# Altium PCB Version_2.PcbDoc (part 3 of 6) (continued)
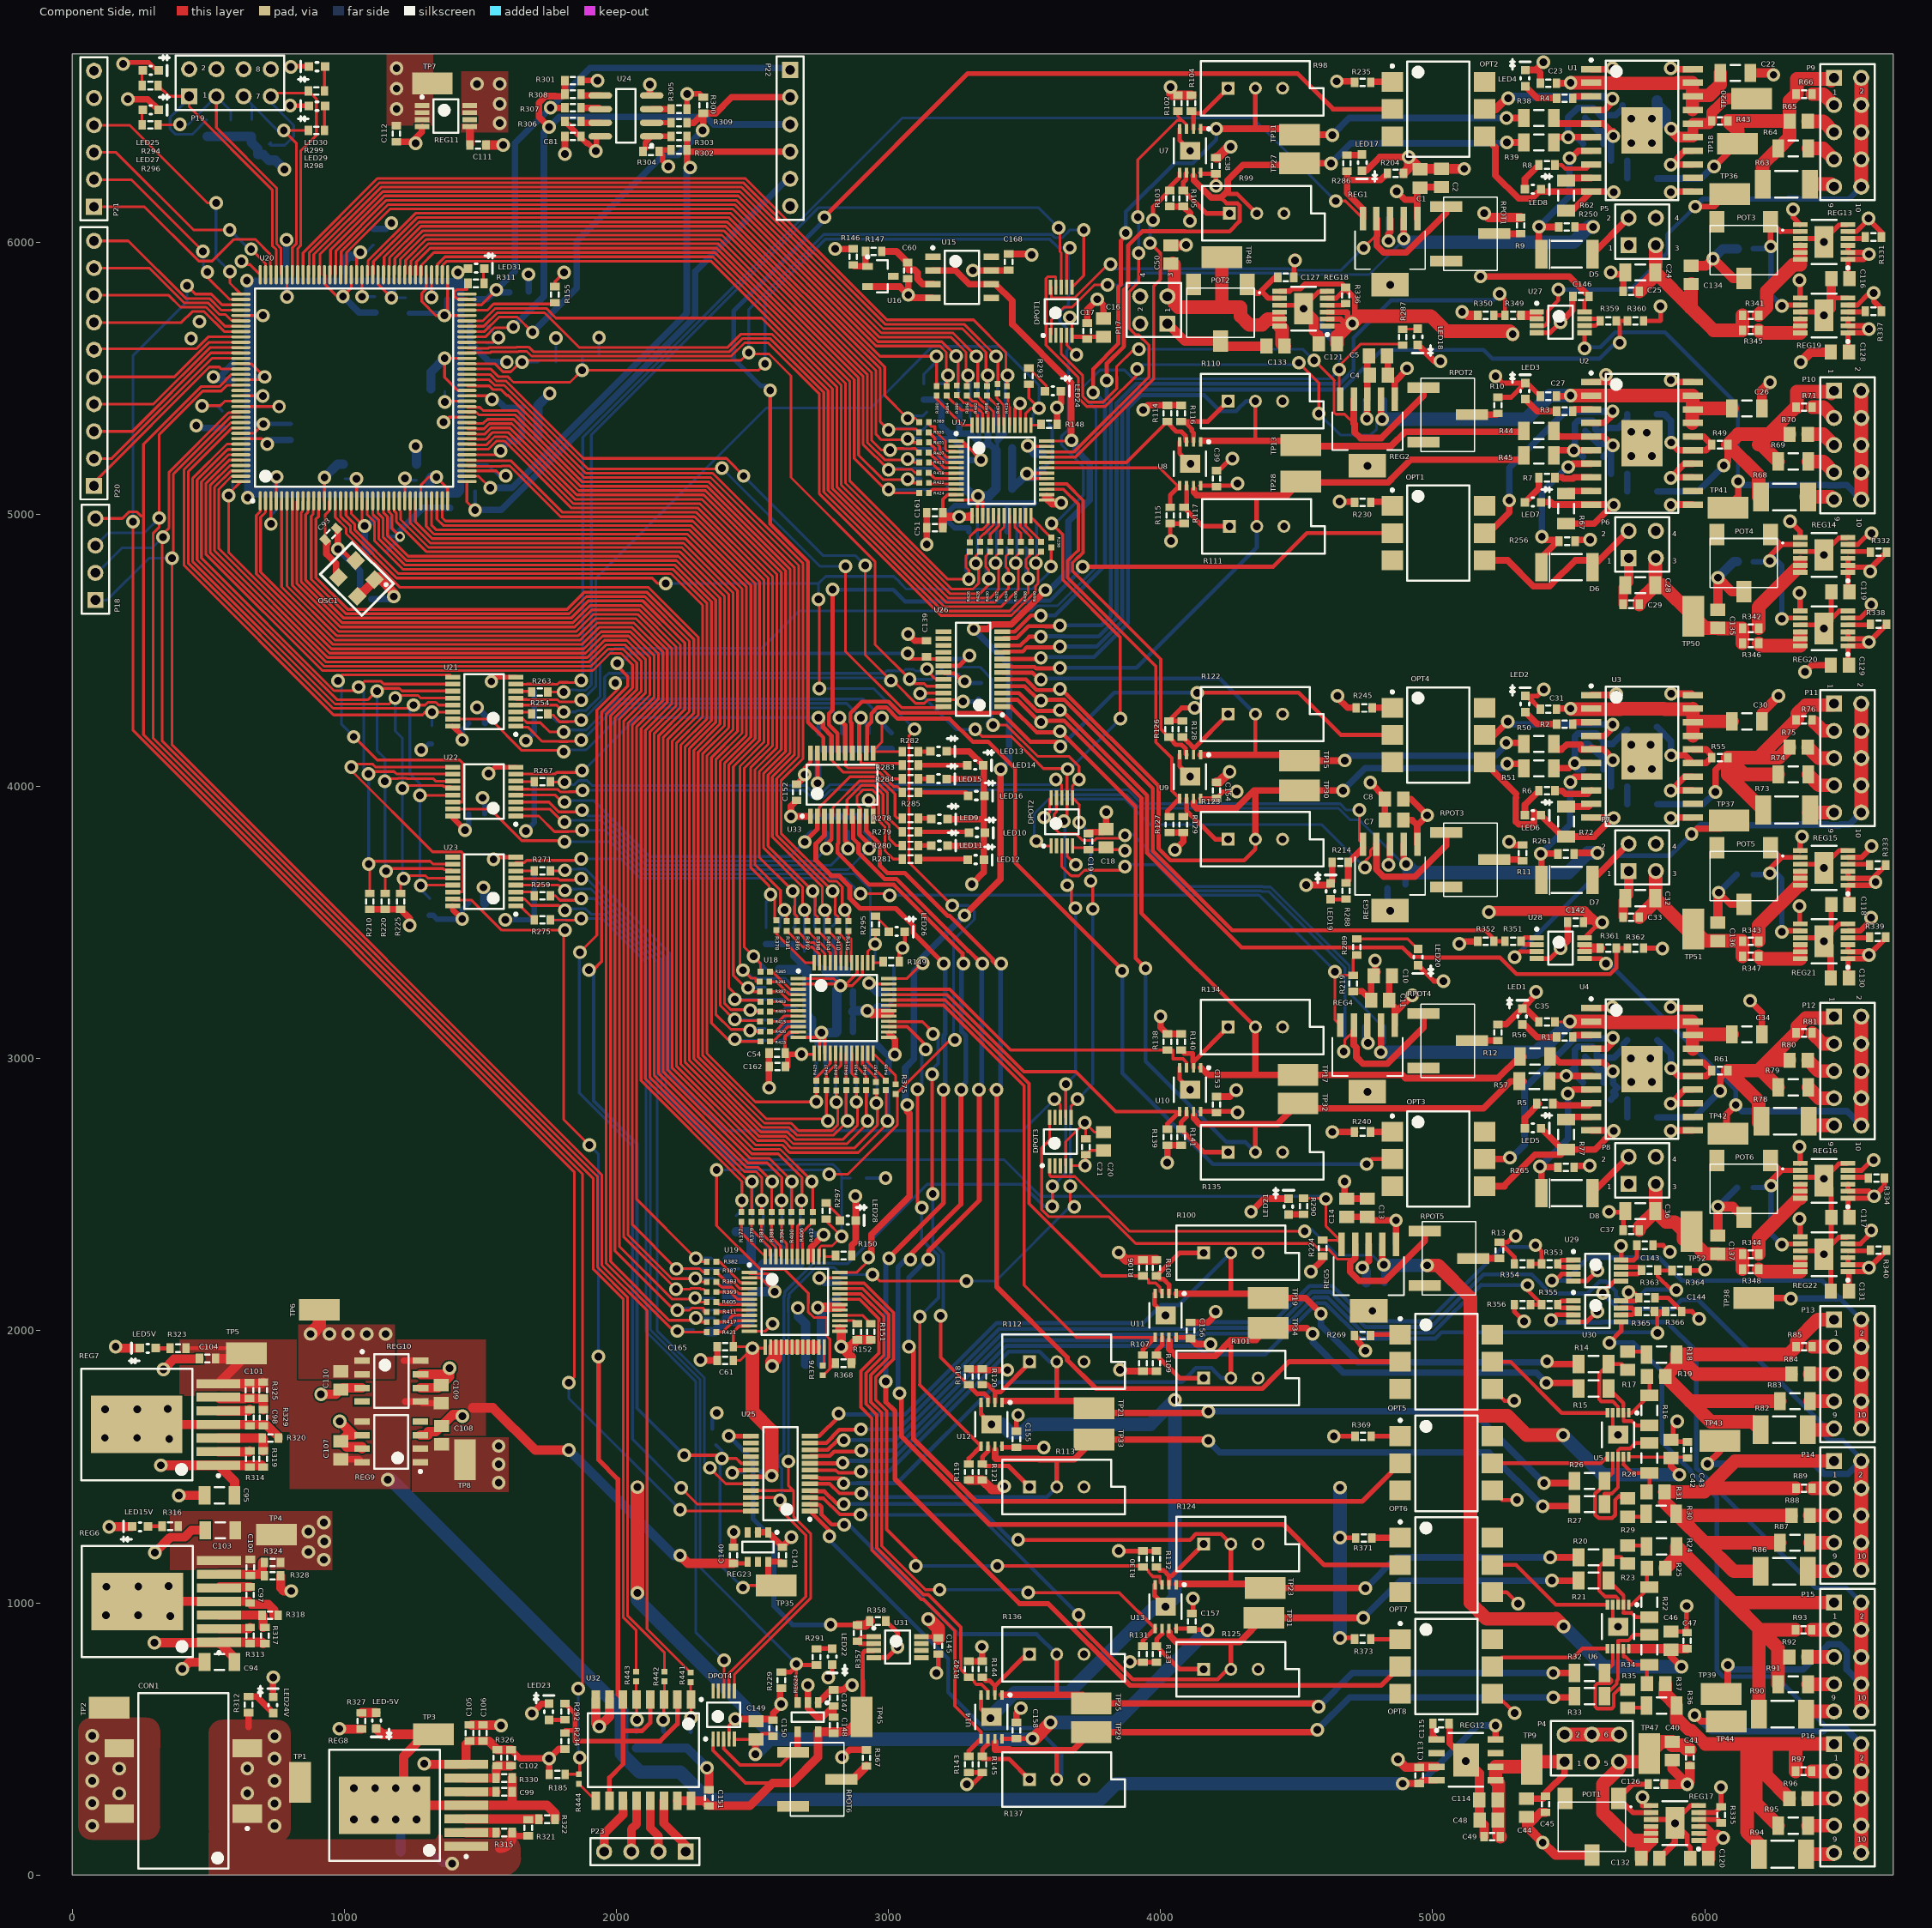
[diagram p0: Component Side view]
## Nets (pads, with @x,y where several pads share a name; then routed paths per layer and width w, separated by ;. In a path a pad name is that pad's centre, name@x,y a point inside that pad or via, vN(x,y) a via of type N, cw(c..) or ccw(c..) an arc to the next point about the centre after c; other vN are vias at no path point) (continued)
  Component Side w10: v1@613.91,5922.24 v1(622.08,5930.41) 634.18,5918.31 652.87,5918.31 U20.108@690.83,5880.35 ; U20.136@619.96,5277.99 696.42,5277.99 v1(716.54,5257.87) ; U20.130@619.96,5396.1 v1(760.28,5396.1) ; U20.113@619.96,5730.75 v1(701.22,5730.75) ; U20.3@730.2,5049.65 732.98,5046.87 730.32,5044.2 v1(730.32,4964.57) ; U20.13@927.05,5049.65 v1(927.05,5135.94) ; U20.96@927.05,5880.35 929.83,5877.57 929.83,5843.82 972.47,5801.18 v1(995.08,5801.18) 1025.47,5831.57 U20.91@1025.47,5880.35 ; U20.25@1163.27,5049.65 1163.27,5009.94 1174.86,4998.36 1174.86,4948.18 v3(1204.72,4918.31) ; U20.77@1301.06,5880.35 1301.06,5828.35 1284.87,5812.16 1284.87,5782.33 1336.45,5730.75 v1(1367.56,5730.75) U20.68@1450.67,5730.75 ; v1(1365.16,5338.58) 1383.31,5356.73 U20.49@1450.67,5356.73 ; v1@1379.8,5742.99 U20.73@1379.8,5880.35 ; U20.54@1450.67,5455.16 1416.92,5455.16 1368.66,5503.41 v1(1368.66,5573.27) U20.60@1450.67,5573.27 ; U19.12@2488.9,1997.69 2545.92,1997.69 v1(2573.82,2025.59) ; U19.2@2488.9,2194.54 2530.85,2194.54 v1(2581.69,2143.7) 2581.69,2187.99 2559.99,2209.69 2488.9,2209.69 U19.1@2488.9,2214.23 ; v1@2566.66,1875.27 v1(2571.85,1870.08) ; U18.2@2668.9,3274.54 v1@2817.29,3274.54 ; U18.1@2668.9,3294.23 2797.6,3294.23 v1@2817.29,3274.54 ; v1(2823.96,3267.88) v1@2817.29,3274.54 ; DPOT3.4@3651.69,2606.4 3651.69,2695 v1(3721.46,2764.76) v1@3725.24,2760.98 ; DPOT1.4@3654.92,5657.38 3654.92,5622.64 v1(3690.94,5586.61) ; DPOT2.4@3656.69,3781.4 3656.69,3743.9 v1(3687.99,3712.6) ; C21.1@3725.24,2705.49 v1@3725.24,2760.98 ; C20.1@3790.24,2729.43 3756.79,2729.43 v1@3725.24,2760.98
  Component Side w12: DPOT4.4@2414.22,499.69 2414.22,550.05 v1(2437.01,572.83) ; U18.12@2668.9,3077.69 2736.16,3077.69 ; U18.14@2746.66,3019.62 2746.66,3088.19 v1(2753.94,3095.47) ; U18.15@2766.34,3019.62 v1@2766.34,3083.07 ; v1(2823.96,3267.88) v1@2838.74,3267.88 ; U18.40@2884.45,3352.3 2884.45,3313.58 v1@2838.74,3267.88 ; U18.39@2904.14,3352.3 2904.14,3305.71 2866.3,3267.88 v1@2838.74,3267.88 ; U17.12@3248.9,5052.69 v1@3313.52,5052.69 ; U17.2@3248.9,5249.54 3290.81,5249.54 ; U17.1@3248.9,5269.23 3271.12,5269.23 3290.81,5249.54 ; U17.14@3326.66,4994.62 v1@3326.66,5065.83 ; v1(3340.55,5199.8) 3290.81,5249.54 ; U17.15@3346.34,4994.62 3346.34,5046.14 ; U17.40@3464.45,5327.3 3464.45,5388.66 ; U17.39@3484.14,5327.3 v1@3484.14,5406.61
  Component Side w15: v1(2425.2,1477.36) 2435.35,1487.52 U25.18@2494.33,1487.52 ; U33.19@2739.17,4123.03 2739.17,4011.81 2728.84,4022.15 2737.2,4030.51 2739.31,4028.41 v1(2739.31,4012.01) ; R149.1@3039.77,3355.96 3039.77,3408.86 3060.24,3429.33 LED26.2@3060.24,3465.96
  Component Side w17: v1(187.01,6655.51) 192.71,6661.21 280.54,6661.21 310.79,6630.96 LED25.2@317.84,6630.96 ; v1(204.72,6525.59) v1@214.1,6516.21 ; v1(801.18,6501.97) 869.23,6501.97 LED29.2@870.24,6500.96 ; v1(803.15,6643.7) 805.41,6645.96 LED30.2@870.24,6645.96 ; v1(977.36,4872.05) 977.36,4882.16 1029.17,4830.35 OSC1.2@1040.98,4830.35 ; v1(1548.23,3732.28) 1556.1,3740.16 U23.8@1630.18,3740.16 ; v1@2778.54,740.16 2778.68,740.02 v1(2778.68,725.43) 2792.32,739.07 LED22.2@2792.32,772.64 ; U31.4@2946.02,798.9 2995.24,798.9 v1(3033.62,837.28) 3033.62,889.61 R358.2@2990.16,933.07 ; v1@3180.27,759.01 3180.27,761.85 3183.07,764.65 C145.2@3183.07,812.01 ; U26.18@3201.97,4443.46 3259.41,4443.46 v1(3297.24,4481.3) ; v1(3287.56,333.68) 3308.86,333.68 3348.43,373.25 R145.1@3345.24,376.43 R143.1@3295.24,376.43 ; v1(3846,1190.49) R130.1@3935.24,1190.49 R132.1@3985.24,1190.49 ; v1@3877.91,783.5 v1(3887.99,783.5) 3890.05,781.43 R131.1@3935.24,781.43 R133.1@3985.24,781.43 ; v1(4038.39,4901.57) 4035.24,4904.72 R115.1@4035.24,4966.43 R117.1@4086.3,4966.43 ; C157.2@4115.24,960.49 4119.09,964.35 v1(4119.09,1015.75) ; C39.2@4205.24,5160.8 4213.95,5160.8 4257.87,5204.72 v1(4263.78,5204.72) ; REG18.9@4437.64,5768.76 REG18.13@4519.37,5768.76 ; C127.1@4489.77,5870.96 v1@4489.77,5928.74 ; v1(4494.09,5933.07) v1@4494.09,5950.07 ; REG18.13@4525.24,5762.89 4580.26,5817.9 4610.8,5817.9 REG18.6@4612.84,5819.94 ; R356.2@5300.71,2095.96 5300.71,2069.37 v1(5335.63,2034.45) ; R354.2@5300.71,2245.96 5300.71,2270.02 R13.1@5245.24,2325.49 5276.28,2325.49 5299.21,2348.43 v1(5305.12,2348.43) ; U28.4@5382.64,3367.58 5431.85,3367.58 v1(5470.24,3405.96) ; U27.4@5382.64,5667.58 5431.85,5667.58 v1(5469.76,5705.48) ; U30.4@5517.64,2032.58 5566.85,2032.58 v1(5605.24,2070.96) ; U29.4@5517.64,2182.58 5566.85,2182.58 v1(5605.24,2220.96) ; v1(5647.91,2437.13) 5650,2435.04 5696.75,2435.04 5700.39,2431.4 C37.2@5700.39,2369.27 ; R360.2@5774.77,5710.96 5836.28,5710.96 5837.88,5712.56 v1(5837.88,5764.06) ; C143.2@5810.04,2313.98 5847.44,2313.98 v1(5872.05,2289.37) v1@5875.98,2289.37 ; C144.2@5816.93,2121.06 5865.49,2121.06 R366.2@5915.59,2070.96 5952.66,2070.96 v1(5979.33,2044.29) ; C46.1@5875.24,894.43 5931.3,894.43 5933.07,896.2 v1(5933.07,988.19) ; REG17.13@5890.24,197.89 5947.29,254.94 REG17.6@5977.84,254.94 ; v1(5898.62,1667.32) 5884.46,1653.16 5884.46,1591.48 C43.1@5936.58,1591.48 ; R364.2@5938.98,2221.46 5998.22,2221.46 v1(6001.28,2224.52) v1@6001.28,2215.26
  Component Side w18: v1(1530.51,4047.24) 1554,4070.73 U22.8@1630.18,4070.73 ; v1(1540.35,4385.83) 1555.83,4401.3 U21.8@1630.18,4401.3 ; v1@2927.17,3944.28 2934.85,3951.96 2939.96,3946.85 2943.9,3950.79 U33.10@2943.9,3890.75 ; v1@2927.31,3944.43 v1(2927.31,3950) ; C155.2@3470.24,1630.49 3470.24,1683.73 v1(3476.55,1690.04) ; R128.1@4080.24,4240.49 R126.1@4030.24,4240.49 4078.24,4288.49 v1(4125.59,4288.49) ; LED20.2@4945.87,3343.5 5004.92,3284.45 v1(5039.37,3284.45) ; v1(5231.3,5507.87) 5256.83,5482.34 LED3.2@5340.24,5482.34 ; R10.1@5240.24,5430.49 5288.38,5430.49 LED3.2@5340.24,5482.34 ; C31.1@5395.71,4284.27 5347.64,4332.34 5384.51,4332.34 v1(5408.46,4356.3) ; C27.1@5395.71,5434.27 5347.64,5482.34 LED3.2@5340.24,5482.34 ; R362.2@5774.77,3405.96 5843.05,3405.96 v1(5844.49,3404.53) ; REG17.9@5802.64,203.76 REG17.13@5877.44,203.76 ; REG17.13@5890.24,190.96 5936.26,144.94 5936.26,111.72 5946.77,101.2 C120.1@5946.77,60.96 ; REG22.9@6350.95,2293.76 REG22.13@6433.38,2293.76 ; REG16.9@6350.95,2563.76 REG16.13@6425.75,2563.76 ; REG21.9@6350.95,3443.76 REG21.13@6425.75,3443.76 ; REG15.9@6350.95,3713.76 REG15.13@6425.75,3713.76 ; REG20.9@6350.95,4593.76 REG20.13@6425.75,4593.76 ; REG14.9@6350.95,4863.76 REG14.13@6425.75,4863.76 ; REG19.9@6350.95,5743.76 REG19.13@6425.75,5743.76 ; REG13.9@6350.95,6013.76 REG13.13@6425.75,6013.76 ; REG22.13@6438.55,2288.59 REG22.13@6465.08,2315.13 ; v1(6438.55,2558.59) 6493.36,2613.4 6524.61,2613.4 REG16.6@6526.14,2614.94 ; REG21.13@6438.55,3438.59 REG21.13@6465.08,3465.13 ; REG15.13@6438.55,3708.59 6494.89,3764.94 REG15.6@6526.14,3764.94 ; REG20.13@6438.55,4588.59 REG20.13@6465.08,4615.13 ; REG14.13@6438.55,4858.59 6493.36,4913.4 6524.61,4913.4 REG14.6@6526.14,4914.94 ; v1(6438.55,6000.96) 6438.55,6008.59 6493.36,6063.4 6524.61,6063.4 REG13.6@6526.14,6064.94 ; C131.1@6463.15,2145.96 REG22.13@6463.15,2256.36 ; REG16.13@6465.08,2524.43 C117.1@6465.08,2415.96 REG22.13@6465.08,2315.13 ; REG21.13@6465.08,3457.5 REG21.13@6465.08,3465.13 ; C118.1@6465.08,3565.96 REG21.13@6465.08,3465.13 ; REG20.13@6465.08,4607.5 REG20.13@6465.08,4615.13 ; C119.1@6465.08,4715.96 REG20.13@6465.08,4615.13 ; 6476.93,5794.94 REG19.6@6526.14,5794.94 ; REG22.6@6526.14,2344.94 6524.61,2343.4 6493.36,2343.4 REG22.13@6465.08,2315.13 ; REG21.6@6526.14,3494.94 6494.89,3494.94 REG21.13@6465.08,3465.13 ; REG20.6@6526.14,4644.94 6494.89,4644.94 REG20.13@6465.08,4615.13
  Component Side w24: v1(204.72,6525.59) 278.21,6525.59 LED27.2@317.84,6485.96 ; LED24V.2@738.23,654.03 738.23,725.43 v1(739.17,726.38) ; v1@976.09,4873.32 C93.2@976.09,4931.39 ; R210.2@1093.5,3548.23 R220.2@1150.1,3548.23 R225.2@1206.69,3548.23 1240.16,3514.76 v1(1240.16,3489.17) v1@1243.11,3486.22 ; C112.2@1190.94,6369.09 1241.14,6369.09 1245.08,6365.16 1285.43,6405.51 REG11.4@1285.43,6423.38 ; C102.1@1612.64,460.49 1644.98,428.15 v1(1752.95,428.15) ; v1(1689.96,593.5) 1725.4,628.94 LED23.2@1751.97,628.94 ; R185.2@1752.95,369.09 v1(1752.95,428.15) ; v1(1810.67,6324.17) C81.1@1810.67,6389.04 ; R234.2@1811.02,462.6 1787.4,462.6 v1(1752.95,428.15) ; U24.4@2123.03,6545.69 v1(2123.03,6579.72) ; v1@2305.03,1892.81 v1(2309.17,1892.81) 2311.01,1890.96 C61.2@2370.71,1890.96 C165.2@2370.71,1940.96 ; C140.2@2430.24,1204.51 2430.24,1258.98 v1(2431.1,1259.84) ; v1(2437.01,572.83) C150.1@2571.85,572.83 ; REG23.2@2520.24,1259.11 REG23.1@2557.64,1259.11 C141.2@2610.24,1206.51 ; v1(2561.02,2892.72) C54.2@2561.02,3020.67 ; C150.1@2575.79,568.9 2575.79,594.49 2601.38,620.08 R229.2@2601.38,681.1 ; C141.2@2610.24,1204.51 C141.2@2610.24,1206.51 ; v1(2643.7,1241.14) 2610.24,1207.68 C141.2@2610.24,1206.51 ; C152.1@2662.4,3948.82 2641.73,3928.15 v1(2641.73,3889.76) U33.1@2711.33,3889.76 ; REG24.2@2703.74,613.32 2737.34,579.72 2756.89,579.72 C147.2@2798.23,621.06 C148.1@2798.23,579.72 ; REG24.2@2703.74,632.87 v1(2703.74,696.85) ; 2714.57,2262.8 2714.57,2306.1 v1(2761.81,2353.35) ; v1(2829.72,432.09) 2857.28,459.65 R367.1@2919.29,459.65 ; R150.1@2864.77,2275.96 2864.77,2313.58 2879.92,2328.74 LED28.2@2879.92,2405.51 2879.92,2493.11 v1(2877.95,2495.08) ; U16.2@2923.07,5836.87 3042.07,5836.87 v1(3072.83,5806.1) C60.1@3072.83,5863.84 ; U18.26@3001.58,3093.06 3023.62,3071.02 v1(3023.62,3014.76) ; v1(3071.85,4560.04) 3096.4,4535.49 C139.2@3140.24,4535.49 ; v1@3082.97,5795.96 U15.4@3162.95,5795.96 ; v1(3140.75,4889.76) C161.2@3140.75,5005.91 ; LED15.2@3213.58,4027.56 3346.46,4027.56 ; LED13.2@3213.58,4128.94 3297.25,4128.94 LED14.2@3348.43,4077.76 3350.39,4075.79 LED12.2@3350.39,3730.32 3350.39,3685.04 v1(3306.1,3640.75) ; LED11.2@3216.54,3782.48 3350.39,3782.48 ; LED9.2@3216.54,3879.92 3348.43,3879.92 ; R142.1@3295.24,785.49 R144.1@3345.24,785.49 3343.5,787.22 v1(3343.5,838.58) ; R120.1@3345.24,1860.49 R118.1@3295.24,1860.49 3300.41,1855.32 v1(3437.01,1855.32) ; C168.2@3441.93,5956.69 3522.64,5956.69 v1(3525.59,5953.74) ; C158.2@3470.24,560.49 3470.24,594.25 3486.22,610.24 v1(3486.22,613.19) ; R148.1@3619.77,5330.96 3619.77,5392.05 v1(3619.09,5392.72) 3633.86,5407.48 LED24.2@3633.86,5452.76 ; C17.1@3730.24,5702.65 3730.24,5752.88 v1(3767.72,5790.35) 3790.24,5767.83 C16.1@3790.24,5719.39 ; C19.1@3735.24,3826.67 3735.24,3832.94 3775.09,3832.94 3775.59,3832.44 3789.27,3832.44 C18.1@3800.24,3843.4 v1(3800.24,3905.55) ; v1(3851.38,1856.3) 3856.24,1851.43 R107.1@3935.24,1851.43 R109.1@3985.24,1851.43 ; v1(3936.02,5383.86) 3952.65,5400.49 R114.1@4025.24,5400.49 R116.1@4075.24,5400.49 ; v1(4000,3155.51) 4000,3115.73 R138.1@4025.24,3090.49 R140.1@4075.24,3090.49 ; v1(4024.61,2618.11) 4025.24,2618.74 R139.1@4025.24,2681.43 R141.1@4075.24,2681.43 ; R127.1@4033.11,3830.45 R129.1@4083.11,3830.45 4083.66,3829.9 4083.66,3798.21 v1(4052.36,3766.92) ; R103.1@4033.54,6131.43 R105.1@4083.54,6131.43 4108.27,6106.71 v1(4108.27,6077.76) ; C156.2@4110.24,2030.49 4174.19,2030.49 4201.98,2058.28 v1(4201.98,2069.98) ; C153.2@4205.24,2860.49 4255.17,2860.49 v1(4278.54,2883.86) ; v1(4332.68,2437.01) 4381.01,2485.34 LED21.2@4470.59,2485.34 ; v1(4535.43,3637.8) 4619,3637.8 LED19.2@4625.24,3644.03 4630.71,3649.51 R214.2@4630.71,3720.96 ; v1(4552.17,2217.52) 4595.47,2260.83 R224.2@4595.47,2273.62 ; v1(4676.18,2548.23) 4676.18,2493.11 C14.1@4684.06,2485.24 C13.1@4759.84,2485.24 ; R219.2@4707.68,3247.05 4741.14,3247.05 C11.1@4773.62,3214.57 4773.62,3294.29 C10.1@4783.47,3304.13 4797.24,3317.91 4788.39,3326.77 v1(4788.39,3360.24) ; LED17.2@4740.24,6262.89 4756,6262.89 4806.1,6312.99 v1(4912.4,6312.99) ; v1(4742.13,2232.28) 4765.24,2255.4 REG5.3@4765.24,2317.46 ; REG2.3@4757.87,5420.1 4757.12,5419.35 4758.11,5418.36 v1(4758.11,5351.64) ; v1@4760.24,3059.52 v1(4762.55,3057.21) ; REG2.3@4760.24,5422.46 C5.1@4760.24,5577.17 ; v1(4770.67,4014.76) 4824.8,3960.63 C8.1@4824.8,3953.74 C7.1@4824.8,3875.98 ; v1(4837.6,6004.92) 4837.6,6030.51 4845.47,6038.39 REG1.3@4845.47,6085.54 ; v1@4843.55,3700.77 REG3.3@4843.55,3787.46 ; LED18.2@4945.24,5622.89 5005.14,5562.99 v1(5028.54,5562.99) ; C115.2@5059.77,555.96 5062.14,553.59 5062.14,483.39 REG12.9@5122.88,422.65 ; v1(5097.44,3421.26) 5107.14,3430.96 R352.2@5165.71,3430.96 ; R12.1@5240.24,3125.49 5271.15,3125.49 LED1.2@5329.72,3184.06 ; v1(5280.51,3797.24) 5292.32,3785.43 R11.1@5330.71,3785.43 ; v1(5379.92,3245.08) 5379.92,3234.26 LED1.2@5329.72,3184.06 ; C35.1@5390.75,3134.84 5341.53,3184.06 LED1.2@5329.72,3184.06 ; C23.1@5395.71,6584.27 5395.71,6622.99 5386.36,6632.34 LED4.2@5340.24,6632.34 5341.75,6633.86 5378.94,6633.86 v1(5406.5,6661.42) ; v1(5469.76,5705.48) 5470.24,5705.96 5513.26,5748.99 5513.26,5798.51 C146.2@5515.71,5800.96 ; v1(5470.24,3405.96) 5495.71,3431.43 C142.2@5495.71,3500.96 ; v1(5654.04,5889.27) 5654.04,5881.4 5700.39,5881.4 C25.2@5700.39,5819.27 ; C132.2@5833.7,60.96 5890.24,117.5 REG17.13@5890.24,190.96 ; v1(6051.18,3610.24) 6094.79,3566.63 POT5.2@6143.56,3566.63 ; v1(6166.34,3212.6) 6210.36,3168.58 C34.1@6210.36,3089.27 ; v1(6369.09,4421.26) 6393.8,4445.96 C129.1@6463.15,4445.96 ; C130.1@6463.15,3295.96 REG21.13@6463.15,3413.99
  Component Side w33: v1(135.83,1279.53) 136.81,1280.51 LED15V.2@219.49,1280.51 ; v1(159.45,1940.94) 164.37,1936.02 LED5V.2@248.03,1936.02 ; REG7.8@237.2,1655.51 REG7.4@537.4,1655.51 711.94,1655.51 757.87,1609.58 R320.2@757.87,1605.32 ; REG6.8@239.17,1004.92 REG6.4@539.37,1004.92 647.64,1004.92 C97.1@653.54,999.02 658.14,994.42 658.14,994.94 720.93,994.94 741.27,974.6 741.27,954.72 ; v1(304.13,1185.04) 360.37,1241.28 412.86,1241.28 438.32,1266.73 C103.2@489.17,1266.73 ; v1(335.63,1857.28) 374.15,1895.81 467.52,1895.81 C104.2@467.52,1897.64 ; v1(391.73,1394.68) C95.1@486.22,1394.68 ; v1(404.53,756.89) 430.12,782.48 C94.1@486.22,782.48 ; R328.1@765.75,1099.41 765.75,1054.13 776.57,1043.31 v1(805.12,1043.31) ; v1(981.3,537.4) 982.27,536.43 R327.1@1062.64,536.43 ; v1(1294.29,408.46) 1296.79,405.96 REG8.7@1447.84,405.96 1447.84,480.49 C105.1@1459.77,492.42 C106.1@1509.77,492.42 1530.71,492.42 R326.2@1562.64,460.49 C102.1@1612.64,460.49 ; v1(2332.68,393.7) 2339.57,386.81 C151.2@2339.57,312.99
  Component Side w34: 3581.58,5063.06 3602.32,5042.32 v1(3634.84,5042.32) ; v1(4872.05,424.21) 4900.77,395.49 C113.2@4950.24,395.49 4952.4,397.65 REG12.3@5014.61,397.65 ; REG12.9@5122.88,422.65 5171.77,373.76 C114.2@5171.77,275.96 5171.77,201.87 C48.1@5172.68,200.96 5189.41,184.23 C49.1@5189.41,140.96 ; C44.1@5345.24,213.4 5345.24,178.38 v1(5404.53,119.09) 5450.85,72.77 POT1.2@5585.25,72.77 ; C44.1@5362.75,195.89 5396.99,230.14 C45.1@5415.24,230.14
  Component Side w35: v1(914.37,1765.75) 968.69,1765.75 C110.2@986.38,1783.44 992.48,1789.54 REG10.3@1065.75,1789.54 ; v1(983.27,1667.32) 1034.27,1616.32 1009.61,1616.32 C107.2@987.36,1594.07 1008.16,1573.28 1065.08,1573.28 REG9.7@1065.08,1566.32 ; REG9.3@1279.65,1616.32 1307.4,1616.32 1307.4,1628.99 1336.57,1628.99 C108.2@1357.36,1649.78 1399.06,1691.48 1428.75,1691.48 v1(1434.13,1686.11) ; REG10.6@1280.32,1789.54 1345.55,1789.54 C109.2@1356.38,1800.37 1386.81,1830.8 v1(1386.81,1862.2) 1364.15,1839.54 REG10.7@1280.32,1839.54 ; C111.2@1520.67,6357.28 1583.43,6357.28 v1(1583.74,6357.59) v1@1589.26,6357.59 ; U32.8@1924.41,644.68 1924.41,557.87 v1(1937.01,545.28) 1974.41,582.68 U32.7@1974.41,644.68 ; 2821.58,2007.66 2825.79,2003.45 v1(2825.79,1940.94) ; R368.2@2864.17,1880.91 2864.17,1902.56 v1(2825.79,1940.94) ; R151.1@2935.24,1966.43 R152.1@2885.24,1966.43 2859.75,1940.94 v1(2825.79,1940.94) ; R119.1@3295.24,1451.43 R121.1@3345.24,1451.43 3380.33,1416.34 3413.48,1416.34 v1(3425.36,1428.22) ; v1(3846.46,2287.4) 3873.37,2260.49 R106.1@3935.24,2260.49 R108.1@3985.24,2260.49 ; P17.1@4025.24,5700.96 4089.57,5636.63 POT2.2@4220.25,5636.63 ; v1(4036.42,6569.88) 4036.42,6546.26 4042.19,6540.49 R102.1@4063.55,6540.49 R104.1@4113.55,6540.49 ; C50.2@4038.39,5988.19 4091.44,5988.19 v1(4093.7,5990.45) ; C38.2@4203.54,6310.8 4210.41,6310.8 4250,6350.39 v1(4257.87,6350.39) ; C154.2@4205.24,4015.49 4215.29,4015.49 v1(4253.94,4054.13) ; POT2.2@4238.78,5618.11 C133.2@4388.78,5618.11 ; v1(4525.24,5755.96) 4562.76,5718.44 4562.76,5673.2 4576.53,5659.43 4581.77,5659.43 C121.1@4581.77,5625.96 ; R204.2@4892.72,6252.95 4912.4,6272.64 v1(4912.4,6312.99) 4955.71,6269.69 C2.1@5032.48,6269.69 v1(5116.14,6269.69) ; v1(5108.27,5744.09) 5115.16,5744.09 5128.29,5730.96 R350.2@5165.71,5730.96 ; v1(5188.98,6106.3) 5204.79,6090.49 R9.1@5323.55,6090.49 ; C33.2@5700.39,3519.27 5700.39,3581.4 C32.2@5708.26,3589.27 5720.33,3601.33 P7.1@5720.33,3689.27 ; C29.2@5700.39,4669.27 5700.39,4731.4 C28.2@5708.26,4739.27 5720.33,4751.33 P6.1@5720.33,4839.27 ; C126.1@5851.38,333.66 v1(5936.02,333.66) ; C40.1@5880.24,422.5 5880.24,389.45 v1(5936.02,333.66) ; C41.1@5945.24,401.43 5945.24,342.88 v1(5936.02,333.66) ; C134.2@5950.79,5913.39 6003.94,5913.39 v1(6030.51,5939.96) 6103.84,5866.63 POT3.2@6143.56,5866.63 ; C137.2@6048.55,2349.43 v1(6048.55,2456.03) 6104.17,2456.03 POT6.2@6143.56,2416.63 ; C136.2@6048.55,3499.43 v1@6048.55,3607.6 ; C135.2@6048.55,4649.43 v1(6048.55,4767.4) 6099.31,4716.63 POT4.2@6143.56,4716.63 ; C22.1@6167.32,6622.05 6246.06,6622.05 v1(6252.95,6615.16) ; C30.1@6210.36,4239.27 6210.36,4272.36 v1(6270.67,4332.68) ; C26.1@6210.36,5389.27 6210.36,5455.43 v1(6240.16,5485.24) ; v1(6353.35,5560.04) 6389.27,5595.96 C128.1@6463.15,5595.96 ; v1(6438.55,5730.96) 6465.08,5757.5 C116.1@6465.08,5865.96
  Component Side w50: v1(2571.85,1870.08) 2571.85,1886.21 2583.88,1898.24 2583.88,1939.62 U19.15@2586.34,1939.62 U19.16@2606.03,1939.62 U19.17@2625.71,1939.62 U19.18@2645.4,1939.62 U19.19@2665.08,1939.62 U19.20@2684.77,1939.62 U19.21@2704.45,1939.62 U19.22@2724.14,1939.62 U19.22@2726.6,1939.62
  Solder Side w9: R232.2@2589.77,3248.17 2589.77,3244.95 2658.84,3244.95 2660.94,3247.05 2699.77,3247.05 ; R242.2@2594.77,3173.17 2616.43,3173.17 2616.43,3181.9 2622.58,3188.05 2658.84,3188.05 2673.72,3173.17 2684.94,3173.17 2699.77,3187.99
  Solder Side w10: v1(730.32,4964.57) 730.32,4996.06 C91.2@751.97,5017.72
  Solder Side w12: R208.2@2570.24,2259.86 2570.24,2272.02 2584.95,2286.74 2584.95,2324.24 2570.24,2338.96 R203.2@2570.24,2364.07 ; 2640.75,2246.43 2644.95,2250.64 R193.2@2644.95,2359.36 ; R257.2@3174.77,5130.96 3268.96,5130.96 ; C52.2@3400.24,5239.89 3400.24,5271.43 3400.24,5327.31 3395.52,5332.02 3395.52,5391.72 R191.2@3400.24,5396.43
  Solder Side w14: C77.2@1154.53,4862.2 v3@1204.72,4912.4 ; C89.2@1160.43,4918.31 v3(1204.72,4918.31) 1168.31,4954.72 C76.2@1168.31,4981.3
  Solder Side w15: C138.2@2352.36,1639.76 2352.36,1674.21 2369.09,1690.94 v1(2369.09,1697.83) ; v1@2430.12,1482.28 C169.2@2471.46,1482.28
  Solder Side w17: R197.2@2730.24,3431.43 2732.45,3429.22 2732.45,3356.66 R192.2@2766.34,3322.77 ; C170.2@3221.46,4468.5 v1@3284.45,4468.5 ; R201.2@3330.24,5396.43 3332.45,5394.22 3332.45,5264.22 ; 3502.04,5034.83 3502.04,4939.16 R172.2@3505.24,4935.96
  Solder Side w18: C69.2@1238.19,5739.17 v1@1359.13,5739.17 ; v1@1282.48,4134 v1(1282.54,4134.06) 1287.6,4134.06 1310.04,4156.5 R205.2@1320.87,4156.5 ; v1(1507.87,3958.66) 1515.75,3950.79 C65.2@1515.75,3899.61
  Solder Side w20: R266.2@3295.24,4935.96 3295.24,4949.96 3243.26,4949.96 3219.24,4973.98 3219.24,5007.94 3243.26,5031.96 3292.79,5031.96 v1(3328.74,5067.91) ; R274.2@3365.24,4935.96 3365.24,5036.79 ; R163.2@3435.24,4935.96 3435.24,5035.68
  Solder Side w24: v1(455.71,5325.79) 463.58,5317.91 C71.2@556.1,5317.91 ; C79.2@590.43,5494.53 517.28,5494.53 517.28,5503.78 v1(518.69,5505.19) 542.04,5505.19 C78.2@590.43,5553.58 ; v1(716.54,5257.87) 732.28,5273.62 C80.2@803.15,5273.62 ; C67.2@787.4,5916.34 v1(787.4,6008.86) ; v1(977.36,4872.05) 1057.58,4791.83 C92.2@1057.58,4730.81 ; v1(995.08,5801.18) 1054.13,5742.13 C84.2@1114.17,5742.13 ; C70.2@1107.28,6049.21 1152.56,6049.21 v1(1173.23,6069.88) v1@1179.13,6069.88 ; v3(1204.72,4918.31) 1204.72,4939.96 C90.2@1286.42,5021.65 1288.39,5023.62 C74.2@1340.55,5023.62 C72.2@1389.05,5023.62 ; v1@1378.94,5742.13 C68.2@1378.94,5788.39 ; C88.2@1462.6,5695.87 1462.6,5629.92 C87.2@1463.58,5628.94 1532.48,5560.04 v1(1597.44,5560.04) ; v1(1487.2,4290.35) 1516.73,4260.83 C64.2@1516.73,4232.28 ; R157.1@1677.16,5818.9 v1(1677.16,5881.89) ; R217.2@2550.24,3421.43 R212.2@2600.24,3421.43 R207.2@2650.24,3421.43 2650.24,3376.43 R202.2@2700.24,3326.43 ; R252.2@2593.43,3098.43 2607.51,3098.43 2607.51,3118.15 2620.74,3118.15 2623.94,3121.35 2708.38,3121.35 ; v1(2641.73,3889.76) R179.2@2914.12,3889.76 ; R158.2@2707.68,3085.63 v1@2744.1,3085.63 ; R183.2@2715.24,2364.07 2725.96,2353.35 v1(2761.81,2353.35) ; 2716.54,3113.19 2725.89,3103.84 ; R159.2@2738.19,3053.15 R164.2@2884.84,3053.15 2955.71,3053.15 R173.2@2957.68,3051.18 2994.09,3014.76 v1(3023.62,3014.76) 3000.24,2991.38 R178.2@3000.24,2950.49 ; v1(2739.31,4012.01) 2740.83,4013.53 2740.83,4075.57 2737.2,4079.2 2737.2,4129.2 R199.2@2743.32,4135.32 2745.62,4137.62 R194.2@2831.03,4137.62 R189.2@2926.03,4137.62 R184.2@3011.03,4137.62 ; R160.2@2770.24,2950.49 2771.94,2952.19 2771.94,3051.47 ; R187.2@2800.24,3431.43 2802.06,3429.62 2802.06,3328.79 ; R162.2@2845.24,2950.49 2847.72,2952.98 2847.72,3046.96 ; 2921.96,3051.47 2921.96,2953.77 R168.2@2925.24,2950.49 ; R221.2@3130.24,5421.43 R216.2@3180.24,5421.43 3194.77,5406.91 R226.2@3194.77,5375.96 R231.2@3194.77,5325.96 3224.29,5296.43 R206.2@3300.24,5296.43 3332.45,5264.22 3340.55,5256.12 3373.86,5256.12 C52.2@3395.16,5234.82 ; R246.2@3174.77,5200.96 3174.77,5200.25 3276.24,5200.25 ; R236.2@3174.77,5275.96 3237.77,5275.96 R241.2@3277.77,5235.96 ; 3260.24,5297.02 R211.2@3260.24,5396.43 ; 3292.53,5199.8 v1(3340.55,5199.8) ; v1(3328.74,5067.91) 3328.74,5040.33 R270.2@3329.25,5039.82 R277.2@3399.25,5039.82 R167.2@3469.25,5039.82 R177.2@3534.25,5039.82 ; 3365.24,5260.14 R196.2@3365.24,5296.43 ; 3400.24,5271.43 R186.2@3425.24,5296.43 ; v1@4751.77,3067.98 C12.1@4751.77,3115.96 ; v1@4754.92,5351.64 C6.1@4754.92,5419.29 ; v1@4833.66,3553.24 C9.1@4833.66,3625 ; v1@4838.58,6005.91 C3.1@4838.58,6087.6 ; v1@6049.08,2456.03 C125.1@6119.02,2525.96 ; v1(6051.18,3610.24) C124.1@6116.91,3675.96
  Solder Side w33: R180.2@2072.83,466.54 R175.2@2175.2,466.54 2259.84,466.54 v1(2332.68,393.7)
  Solder Side w34: v1(927.05,5135.94) 975.16,5184.06 C83.2@996.06,5184.06 ; v1(1261.81,5250.98) 1265.75,5247.05 C82.2@1265.75,5184.06 ; C85.2@1317.91,5460.63 1317.91,5522.52 v1(1368.66,5573.27) ; C86.2@1711.61,5286.42 C73.2@1711.61,5338.58 C75.2@1711.61,5390.75 1711.61,5400.59 v1(1754.92,5443.9) ; v1(2667.45,2083.76) 2667.45,2053.43 C167.2@2694.92,2025.96 C166.2@2694.92,1975.96 C62.2@2694.92,1925.96 C63.2@2694.92,1875.96 ; C15.1@4755.91,2176.18 v1@4755.91,2218.5
  Solder Side w35: R166.2@496.06,6388.78 658.46,6388.78 658.46,6366.14 682.21,6342.4 682.21,6322.96 701.65,6322.96 R181.2@723.42,6301.18 746.06,6301.18 v1(779.53,6267.72) ; v1(1510.83,3628.94) 1515.75,3624.02 C66.2@1515.75,3570.87 ; R258.2@2335.99,1996.95 2361.66,1996.95 R253.2@2405.99,2041.27 ; R253.2@2405.99,2046.95 2420,2046.95 2432.2,2034.75 2492.99,2034.75 2492.99,2103.41 2479.22,2117.18 ; R233.2@2405.99,2192.95 R243.2@2405.99,2119.95 2420.48,2105.46 2420.48,2117.18 2479.22,2117.18 ; R223.2@2409.26,2262.67 2494.96,2262.67 ; R218.2@2440.24,2364.07 2489.68,2364.07 2494.96,2358.79 2494.96,2262.67 ; R222.2@2599.29,3326.43 R202.2@2700.24,3326.43 ; R188.2@2675.24,2246.43 2640.75,2246.43 R198.2@2615.24,2246.43 R208.2@2555.24,2246.43 2541.71,2246.43 R228.2@2516.73,2221.46 ; R202.2@2699.77,3325.96 R227.2@2699.77,3273.17 2699.77,3247.05 R237.2@2699.77,3216.5 2699.77,3187.99 R247.2@2699.77,3159.83 2716.54,3143.06 2716.54,3113.19 ; v1(2753.94,3095.47) 2807.5,3095.47 C163.2@2810.04,3098.01 C164.2@2810.04,3148.01 C55.2@2810.04,3198.01 C56.2@2810.04,3248.01 C56.2@2810.04,3253.96 ; v1(2823.96,3267.88) 2769.06,3322.77 R182.2@2845.08,3322.77 ; R241.2@3277.77,5235.96 R251.2@3277.77,5160.96 R262.2@3277.77,5100.96 3310.81,5067.91 v1(3328.74,5067.91) 3369.16,5067.91 C159.2@3395.16,5093.91 C160.2@3395.16,5143.91 C53.2@3395.16,5193.91 C52.2@3395.16,5234.82 ; v1(4525.24,5755.96) 4634.55,5646.65 R209.2@4658.46,5646.65 ; v1(6030.51,5939.96) 6066.51,5975.96 C122.1@6119.02,5975.96 ; v1(6048.55,4767.4) 6107.11,4825.96 C123.1@6119.02,4825.96 ; 2479.22,2117.18 2505.75,2143.7 v1(2581.69,2143.7) 2581.69,2156.5 R228.2@2516.73,2221.46 ; 2494.96,2262.67 2494.96,2243.23 R228.2@2516.73,2221.46
  other v1: 73.23,180.96 5890.75,189.96 73.23,263.46 173.23,299.53 73.23,345.96 173.23,390.96 5121.06,418.31 73.23,428.46 73.23,510.96 2605.32,627.95 3176.18,742.13 360.24,950.79 124.02,954.72 242.13,954.72 125,1059.06 243.11,1060.04 354.33,1061.02 356.3,1602.36 120.08,1606.3 238.19,1606.3 121.06,1710.63 239.17,1711.61 350.39,1712.6 4778.78,2072.94 6438.55,2280.96 4760.24,2878.36 3051.18,3406.5 6438.55,3430.96 4843.54,3543.36 6438.55,3700.96 4837.68,3711.61 6438.55,4580.96 6438.55,4850.96 4760.24,5178.36 3483.27,5407.48 4843.54,5843.36 1261.81,6363.19
IFLAG1: R8.1 U1.8 | length 144.8
  Component Side w15: R8.1@5449.77,6284.27 5473.29,6284.27 5487.01,6270.56 5567.08,6270.56 U1.8@5582.48,6285.96
IFLAG2: R7.1 U2.8 | length 135
  Component Side w24: R7.1@5451.46,5135.96 5475.47,5135.96 5480.22,5131.21 5515.84,5131.21 5520.59,5135.96 U2.8@5582.48,5135.96
IFLAG3: R6.1 U3.8 | length 143
  Component Side w24: R6.1@5449.77,3984.27 5476.57,3984.27 5488.09,3972.75 5569.27,3972.75 U3.8@5582.48,3985.96
IFLAG4: R5.1 U4.8 | length 137.8
  Component Side w24: R5.1@5451.46,2835.96 5459.67,2827.76 5574.28,2827.76 U4.8@5582.48,2835.96
IN1M: R99.1 R105.2 U7.6 | length 275.1
  Component Side w17: U7.6@4095.75,6255.47 4093.16,6252.88 4093.16,6229.92 4083.54,6220.31 R105.2@4083.54,6190.49 4168.07,6105.96 R99.1@4253.55,6105.96
IN1P: R98.1 R104.2 U7.2 | length 222.6
  Component Side w16: U7.2@4121.34,6416.45 4121.34,6473.64 4156.22,6473.64 R98.1@4248.55,6565.96
IN2M: R111.1 R117.2 U8.6 | length 279.9
  Component Side w17: U8.6@4095.75,5105.47 4095.75,5034.94 R117.2@4086.3,5025.49 4155.83,4955.96 R111.1@4253.55,4955.96
IN2P: R110.1 R116.2 U8.2 | length 301.4
  Component Side w17: R116.2@4075.24,5341.43 R116.2@4079.06,5341.43 ; U8.2@4121.34,5266.45 4121.34,5299.15 4114.93,5305.57 4114.93,5313.66 4087.15,5341.43 R116.2@4079.06,5341.43 ; R110.1@4248.55,5415.96 4174.02,5341.43 R116.2@4079.06,5341.43
IN3M: R123.1 R129.2 U9.6 | length 240.8
  Component Side w17: U9.6@4095.75,3955.47 4095.75,3911 4200.79,3805.96 R123.1@4248.55,3805.96
IN3P: R122.1 R128.2 U9.2 | length 237.4
  Component Side w17: R128.2@4080.24,4181.43 4081.15,4181.43 4091.13,4171.45 4091.94,4171.45 4101.08,4162.31 4101.69,4162.31 4115.16,4148.84 4115.16,4147.43 4121.34,4141.25 4123.83,4141.25 R122.1@4248.55,4265.96
IN4M: R135.1 R141.2 U10.6 | length 281.8
  Component Side w17: U10.6@4095.75,2805.47 4095.75,2786.2 4075.24,2765.69 R141.2@4075.24,2740.49 4159.77,2655.96 R135.1@4248.55,2655.96
IN4P: R134.1 R140.2 U10.2 | length 285.1
  Component Side w17: R140.2@4075.24,3031.43 4087.22,3019.45 4117.52,3019.45 4117.52,2989.15 4121.34,2985.33 ; U10.2@4121.34,2966.45 4121.34,2985.33 ; R134.1@4248.55,3115.96 4121.34,2988.76 4121.34,2985.33
IN5M: R101.1 R109.2 U11.6 | length 266.1
  Component Side w17: R109.2@3985.24,1910.49 4069.77,1825.96 R101.1@4158.55,1825.96 ; 3985.24,1926.18 4005.75,1946.69 U11.6@4005.75,1975.47
IN5P: R100.1 R108.2 U11.2 | length 300.5
  Component Side w17: U11.2@4031.34,2136.45 4031.34,2169.15 4011.04,2189.45 3997.22,2189.45 R108.2@3985.24,2201.43 4069.77,2285.96 R100.1@4158.55,2285.96
IN6M: R113.1 R121.2 U12.6 | length 281.8
  Component Side w17: U12.6@3365.75,1575.47 3365.75,1556.8 3345.24,1536.29 R121.2@3345.24,1510.49 3352.78,1502.95 3441.56,1502.95 R113.1@3518.55,1425.96
IN6P: R112.1 R120.2 U12.2 | length 271.7
  Component Side w17: R120.2@3345.24,1801.43 3364.9,1801.43 3391.34,1775 ; U12.2@3391.34,1736.45 3391.34,1775 ; R112.1@3518.55,1885.96 3518.55,1880.99 3412.55,1775 3391.34,1775
IN7M: R125.1 R133.2 U13.6 | length 262.5
  Component Side w17: 4005.75,886.2 3985.24,865.69 R133.2@3985.24,840.49 4069.77,755.96 R125.1@4158.55,755.96
IN7P: R124.1 R132.2 U13.2 | length 267.8
  Component Side w17: R132.2@3985.24,1131.43 3997.22,1119.45 4011.27,1119.45 4031.34,1099.39 ; U13.2@4031.34,1066.45 4031.34,1099.39 ; R124.1@4158.55,1215.96 4041.97,1099.39 4031.34,1099.39
IN8M: R137.1 R145.2 U14.6 | length 268
  Component Side w17: 3365.75,481.2 3345.24,460.69 3345.24,426.18 3443.33,426.18 R137.1@3518.55,350.96
IN8P: R136.1 R144.2 U14.2 | length 268.2
  Component Side w17: R144.2@3345.24,726.43 3357.22,714.45 3371.27,714.45 3391.34,694.39 ; U14.2@3390.43,661.45 3390.43,693.48 3391.34,694.39 ; R136.1@3518.55,810.96 3507.92,810.96 3391.34,694.39